# Allegro board rt1064_som_wifi.brd (continued)
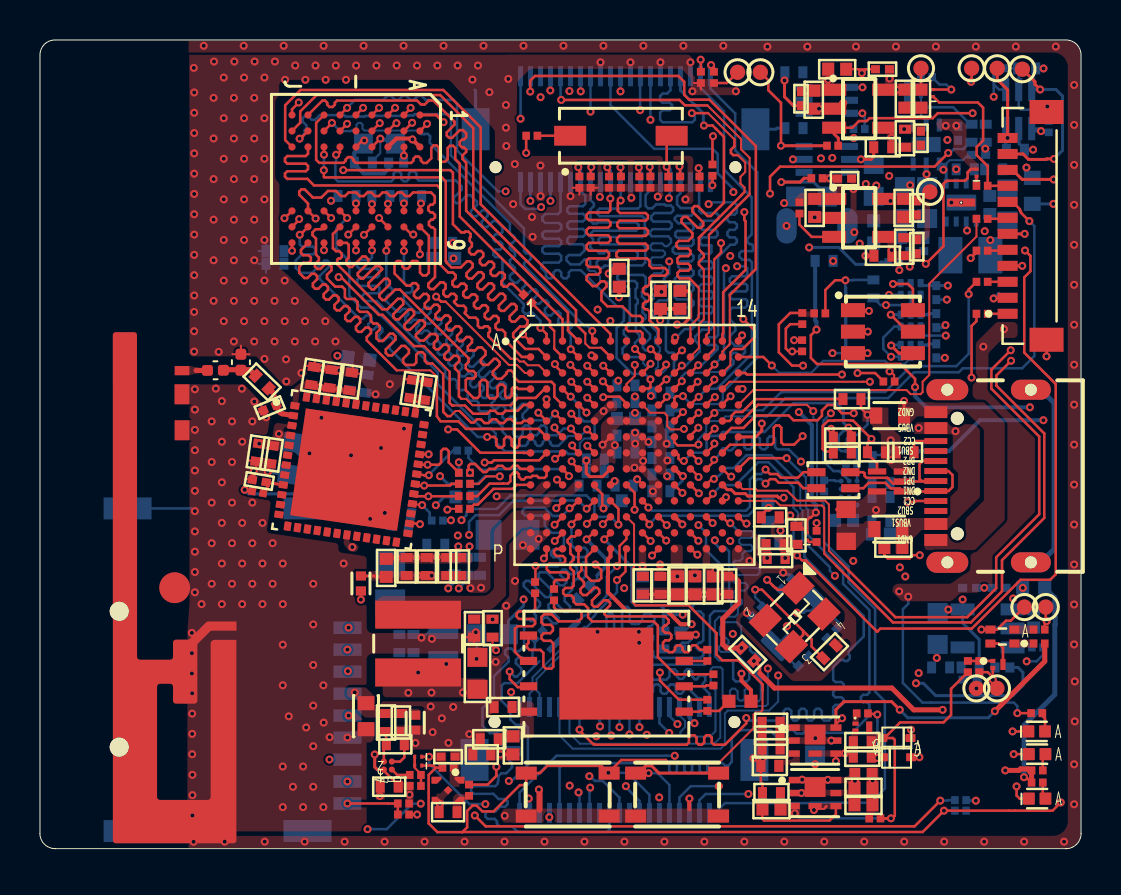
[diagram p0: board, top side]
## Routing (per net, layer and track width the routed paths; a pad name or vN(x,y) marks a point on that pad's centre or on a via; arc(x,y) is an arc through that point) (continued)
GPIO_B0_00: length 21.4
  TOP w0.102: v1(29.77,24.21) 29.77,23.67 29.35,23.25 29.35,23.04
  TOP w0.127: U3.D7 29.35,23.04
  SIG1 w0.127: v1(29.77,24.21) 29.77,24.27 29.09,24.95 29.09,25.2 29.2,25.31 29.22,25.31 29.36,25.45 29.36,28.2 29.17,28.39 28.75,28.39 28.53,28.17 28.53,28.15 28.19,28.15 28.01,28.33 28.01,28.68 27.88,28.81 27.74,28.81 27.56,28.63 27.41,28.63 27.21,28.82 27.21,28.98 27.68,29.45 27.68,29.61 27.57,29.72 27.41,29.72 26.94,29.25 26.78,29.25 26.67,29.36 26.67,29.52 27.14,29.99 27.14,30.15 27.03,30.26 26.87,30.26 26.4,29.79 26.25,29.79 26.13,29.9 26.13,30.06 26.6,30.53 26.6,30.68 26.49,30.8 26.33,30.8 25.86,30.33 25.71,30.33 25.59,30.44 25.59,30.6 26.06,31.07 26.06,31.22 25.95,31.33 25.79,31.33 25.32,30.87 25.17,30.87 25.08,30.96 25.08,31.4 25.31,31.63 25.31,31.87 v1(25.08,32.11)
  BOTTOM w0.127: J5.39 24.05,32.25 24.29,32.01 24.98,32.01 v1(25.08,32.11)
GPIO_B0_01: length 22.2
  TOP w0.127: U3.E7 29.35,22.27 29,22.62 28.31,22.62 28.29,22.64 28.24,22.59 v1(28.19,22.59)
  SIG1 w0.127: v1(24.54,32.42) 24.23,32.11 24.23,30.09 24.52,29.8 24.64,29.8 25,30.16 25.16,30.16 25.27,30.05 25.27,29.89 24.94,29.56 24.94,29.55 24.88,29.5 24.88,29.34 24.99,29.23 25.15,29.23 25.59,29.67 25.75,29.67 25.86,29.56 25.86,29.4 25.52,29.06 25.52,28.89 25.63,28.78 25.79,28.78 26.15,29.13 26.29,29.13 26.4,29.02 26.4,28.87 26.15,28.62 26.15,28.46 26.26,28.35 26.42,28.35 26.67,28.6 26.83,28.6 26.94,28.48 26.94,28.33 26.49,27.88 26.49,27.72 26.6,27.61 26.76,27.61 27.21,28.06 27.37,28.06 27.48,27.95 27.48,27.79 27.26,27.57 27.26,27.39 27.34,27.31 27.54,27.31 27.75,27.52 27.91,27.52 28.25,27.17 28.56,27.17 29.09,26.64 29.09,26.27 28.85,26.03 28.85,24.66 29.33,24.18 29.33,23.26 28.66,22.59 v1(28.19,22.59)
  BOTTOM w0.127: J5.37 24.54,33.35 v1(24.54,32.42)
GPIO_B0_02: length 21.1
  TOP w0.102: v1(32.22,21.01) 32.2,20.98 31.55,20.98 31.39,21.15 31.39,21.67 31.24,21.81 30.54,21.81 U3.E8
  SIG1 w0.127: v1(25.55,32.42) 25.63,32.42 26.85,31.2 27.01,31.2 27.12,31.31 27.28,31.31 27.39,31.2 27.39,31.04 27.27,30.93 27.27,30.77 29.8,28.25 29.8,26.43 29.91,26.32 30.04,26.32 30.15,26.2 30.15,26.05 30.04,25.93 29.91,25.93 29.8,25.82 29.8,25.7 30.17,25.32 30.17,24.85 30.16,24.84 30.16,22.21 30.31,22.07 30.46,22.07 30.57,22.17 30.72,22.17 30.84,22.06 30.84,21.9 30.73,21.8 30.73,21.64 30.84,21.53 31,21.53 31.26,21.79 31.42,21.79 31.53,21.68 31.53,21.52 31.27,21.26 31.27,21.1 31.38,20.99 31.54,20.99 31.8,21.25 31.98,21.25 v1(32.22,21.01)
  BOTTOM w0.127: J5.33 25.55,33.35 v1(25.55,32.42)
GPIO_B0_03: length 21.5
  TOP w0.127: U3.D8 30.17,23.03 30.48,23.03 30.55,23.1 v1(30.55,23.49)
  BOTTOM w0.127: J5.31 26.05,31.89 25.92,31.76 25.29,31.76 25.15,31.62 25.15,31.44 25.27,31.32 25.97,31.32 26.08,31.2 26.08,31.02 25.97,30.91 25.26,30.91 25.15,30.8 25.15,30.64 25.26,30.53 25.97,30.53 26.08,30.41 26.08,30.27 25.97,30.16 25.25,30.16 25.14,30.04 25.14,29.89 25.25,29.77 25.97,29.77 26.08,29.66 26.08,29.46 25.96,29.33 25.21,29.33 25.1,29.22 25.1,29.05 25.32,28.83 25.32,28.66 25.43,28.54 25.59,28.54 25.7,28.66 25.7,28.84 25.82,28.95 25.97,28.95 26.08,28.84 26.08,28.66 26.2,28.54 26.35,28.54 26.47,28.66 26.47,28.84 26.58,28.95 27.06,28.95 28.89,27.12 29.1,27.12 29.22,26.99 29.22,26.58 29.22,26.57 29.22,26.42 28.86,26.06 28.86,24.56 29.65,23.76 30.27,23.76 v1(30.55,23.49)
GPIO_B0_04: length 21.5
  TOP w0.127: 26.94,34.15 v1(26.94,34.1) 26.99,34.05 R60.2 ; v1(30.55,24.27) 30.55,24.21 U3.C8
  BOTTOM w0.102: 28.71,27.88 28.6,27.88 28.5,27.98 28.5,28.27 28.4,28.37 28.11,28.37 28.02,28.46 28.02,28.63 27.74,28.91 27.51,28.91 27.41,29.01 27.41,29.12 27.51,29.22 27.54,29.22 ; v1(30.55,24.27) 30.45,24.17 30.31,24.17 30.19,24.29 30.19,24.44 30.2,24.45 30.2,24.48
  BOTTOM w0.11: 27.44,29.49 27.54,29.4 27.54,29.22
  BOTTOM w0.127: 27.44,29.49 27.26,29.49 27,29.24 26.55,29.24 26.35,29.44 26.35,29.6 26.46,29.71 27.03,29.71 27.25,29.93 27.25,30.15 27.15,30.25 26.5,30.25 26.39,30.36 26.39,30.52 26.5,30.63 27.17,30.63 27.29,30.74 27.29,30.9 27.17,31.01 26.5,31.01 26.39,31.12 26.39,31.28 26.5,31.39 27.17,31.39 27.29,31.5 27.29,31.66 27.17,31.77 26.5,31.77 26.39,31.89 26.39,32.04 26.5,32.15 27.17,32.15 27.29,32.27 27.29,32.68 27.05,32.92 J5.27 27.05,33.99 v1(26.94,34.1) ; 30.2,24.48 30.07,24.6 29.33,24.6 29.15,24.78 29.15,25.03 29.45,25.33 29.45,25.51 29.21,25.75 29.21,25.93 29.51,26.23 29.51,28.01 29.38,28.13 28.96,28.13 28.71,27.88
GPIO_B0_05: length 21.5
  TOP w0.127: v1(27.59,34.11) 27.56,34.08 R61.2 ; v1(29.78,25.01) 30.15,24.63 U3.B8
  BOTTOM w0.127: v1(29.78,25.01) 29.78,25.32 30,25.54 30,25.7 29.82,25.89 29.82,27.21 29.91,27.3 29.91,27.47 29.8,27.57 29.8,28 29.88,28.08 29.88,28.28 29.75,28.41 29,28.41 28.9,28.52 28.9,28.67 29.01,28.78 29.01,29.04 28.89,29.17 28.63,29.17 28.62,29.17 28.3,29.17 28.29,29.17 28.24,29.17 28.14,29.07 27.98,29.07 27.86,29.18 27.86,29.36 27.99,29.49 29.79,29.49 29.92,29.62 29.92,29.8 29.79,29.92 28.35,29.92 28.22,29.8 27.99,29.8 27.87,29.92 27.87,29.92 27.71,29.92 27.54,30.09 27.54,30.25 27.68,30.38 27.68,30.51 27.57,30.62 27.57,30.8 27.7,30.93 29.83,30.93 29.95,31.05 29.95,31.23 29.84,31.34 27.92,31.34 27.86,31.29 27.68,31.29 27.55,31.42 27.55,32 27.55,32 27.72,32.16 27.72,32.29 27.55,32.46 J5.25 27.55,34.07 v1(27.59,34.11)
GPIO_B0_06: length 21.7
  TOP w0.127: v1(28.54,32.54) 28.54,31.95 28.43,31.84 27.47,31.84 27.36,31.73 27.36,31.57 27.47,31.46 28.43,31.46 28.54,31.35 28.54,31.19 28.43,31.08 27.47,31.08 27.36,30.97 27.36,30.81 27.47,30.7 28.43,30.7 28.54,30.59 28.54,30.43 28.43,30.32 27.47,30.32 27.36,30.21 27.36,30.04 27.47,29.92 28.36,29.92 28.47,29.81 28.47,29.65 28.36,29.54 27.47,29.54 27.36,29.43 27.36,29.23 27.47,29.12 27.92,29.12 28.04,29 28.04,28.85 27.92,28.73 27.47,28.73 27.36,28.62 27.36,28.46 27.66,28.16 27.84,28.16 28.08,28.4 28.24,28.4 28.35,28.29 28.35,28.13 28.1,27.87 28.1,27.44 28.39,27.14 29.15,27.14 29.62,26.66 30.04,26.66 30.15,26.55 30.15,26.39 30.04,26.28 29.44,26.28 29.33,26.17 29.33,26.01 29.44,25.9 30.04,25.9 30.15,25.79 U3.A8 ; R62.2 28.48,34.01 v1(28.39,34.1)
  BOTTOM w0.127: v1(28.54,32.54) 28.54,32.54 28.54,33.35 J5.21 28.55,33.94 v1(28.39,34.1)
GPIO_B0_07: length 21.7
  TOP w0.127: v1(29.05,34.1) 29.07,34.08 R63.2 ; v1(29.06,32.44) 29.04,32.44 28.92,32.31 28.92,31.92 29.03,31.81 30.31,31.81 30.42,31.7 30.42,31.54 30.31,31.43 29,31.43 28.89,31.32 28.89,31.16 29,31.05 30.31,31.05 30.42,30.94 30.42,30.78 30.31,30.67 29,30.67 28.88,30.55 28.88,30.39 28.99,30.28 30.3,30.28 30.41,30.16 30.41,30.03 30.31,29.93 28.96,29.93 28.84,29.81 28.84,29.65 28.96,29.54 30.38,29.54 30.5,29.41 30.5,29.19 30.63,29.06 31.27,29.06 31.41,28.93 31.41,28.8 31.28,28.68 30.61,28.68 30.5,28.57 30.5,28.25 30.39,28.14 30.29,28.14 30.18,28.02 30.18,27.87 30.29,27.75 30.39,27.75 30.5,27.64 30.5,27.49 30.39,27.37 30.29,27.37 30.18,27.26 30.18,27.1 30.29,26.99 30.39,26.99 30.5,26.88 30.5,26.44 30.64,26.3 30.64,26.29 30.95,25.98 U3.A9
  BOTTOM w0.127: v1(29.06,32.44) 29.06,33.35 J5.19 v1(29.05,34.1)
GPIO_B0_08: length 21.5
  TOP w0.127: U3.B9 30.95,24.63 30.58,25 v1(30.56,25) ; v1(29.97,34.1) 30,34.07 R64.2
  BOTTOM w0.127: v1(30.56,25) 30.5,24.94 30.3,24.94 30.17,25.06 30.17,25.18 30.53,25.54 30.53,25.74 30.1,26.17 30.1,26.35 30.31,26.55 30.31,26.68 30.15,26.84 30.15,27.13 30.31,27.28 30.31,27.44 30.13,27.63 30.13,27.86 30.31,28.05 30.31,28.59 30.19,28.71 29.45,28.71 29.32,28.84 29.32,29.07 29.44,29.19 30.14,29.19 30.29,29.34 30.29,30.11 30.16,30.24 28.06,30.24 27.96,30.34 27.96,30.5 28.07,30.61 30.14,30.61 30.26,30.74 30.26,31.53 30.14,31.65 28.01,31.65 27.9,31.77 27.9,31.92 28.01,32.04 29.92,32.04 30.05,32.16 J5.15 30.05,33.96 29.97,34.05 v1(29.97,34.1)
GPIO_B0_09: length 21.5
  TOP w0.127: U3.C9 31.33,24.19 v1(31.33,24.23) ; R65.2 30.55,34.09 v1(30.51,34.12)
  BOTTOM w0.102: 30.88,25.69 30.77,25.58 30.77,25.32 31.02,25.07 31.02,24.89 30.81,24.68 30.81,24.54 30.93,24.42 30.93,24.11 30.81,23.99 30.81,23.85 30.92,23.74 31.06,23.74 31.17,23.86 31.19,23.86 31.33,24 v1(31.33,24.23) ; 31.08,28.8 31.18,28.9 31.18,29.11 31.08,29.21 30.66,29.21 30.56,29.31 30.56,29.51 30.65,29.6 31.14,29.6 31.28,29.73 31.28,29.84 31.17,29.94 30.93,29.94
  BOTTOM w0.11: 31.08,28.8 30.74,28.8 30.58,28.64 ; 31.45,30.65 31.54,30.55 31.54,30.51 31.58,30.47 31.58,30.33 31.41,30.16 31.26,30.16 31.13,30.29 30.67,30.29 30.56,30.18 30.56,30.04 30.66,29.94 30.93,29.94 ; 30.88,25.69 30.88,25.87
  BOTTOM w0.113: 30.58,28.47 30.58,28.64
  BOTTOM w0.114: 30.76,28.29 30.58,28.47
  BOTTOM w0.12: 30.88,25.87 30.56,26.18
  BOTTOM w0.127: v1(30.51,34.12) 30.55,34.08 J5.13 30.55,32.95 30.3,32.71 30.3,32.17 30.43,32.05 30.64,32.05 30.83,32.24 31.26,32.24 31.32,32.19 31.58,32.19 31.68,32.08 31.68,31.92 31.57,31.81 30.75,31.81 30.59,31.65 30.59,31.5 30.7,31.38 31.5,31.38 31.61,31.27 31.61,31.11 31.5,31 30.66,31 30.53,30.88 30.53,30.73 30.61,30.65 31.45,30.65 ; 30.56,26.18 30.56,26.53 30.73,26.7 30.73,26.84 30.58,26.99 30.58,27.41 30.71,27.54 30.71,27.7 30.62,27.79 30.62,27.97 30.76,28.11 30.76,28.29
GPIO_B0_10: length 24.6
  TOP w0.127: U3.D9 30.95,23.1 31.33,23.48 v1(31.35,23.48) ; R66.2 31.45,34.04 v1(31.36,34.13) 31.36,35.43 SW3.2
  SIG1 w0.127: v1(31.49,29.39) 31.43,29.46 31.2,29.46 29.63,31.03 29.63,31.33 29.91,31.61 30.09,31.61 30.25,31.44 30.41,31.44 30.42,31.45 30.58,31.45 30.69,31.34 30.69,31.18 30.68,31.17 30.68,31.01 30.79,30.9 30.95,30.9 30.96,30.91 31.12,30.91 31.23,30.8 31.23,30.64 31.22,30.63 31.22,30.48 31.33,30.36 31.49,30.36 31.5,30.37 31.66,30.37 31.77,30.26 31.77,30.1 31.76,30.09 31.76,29.94 31.87,29.82 32.03,29.82 32.04,29.83 32.2,29.83 32.31,29.72 32.31,29.57 32.3,29.56 32.3,29.4 32.54,29.16 32.72,29.16 33.06,29.49 33.06,29.67 31.09,31.64 31.09,32.05 31.44,32.4 31.44,32.52 v1(31.47,32.55)
  BOTTOM w0.127: v1(31.35,23.48) 31.4,23.48 31.72,23.81 31.72,24.36 31.86,24.5 31.86,24.66 31.7,24.82 31.45,24.82 31.32,24.95 31.32,26.18 31.43,26.29 31.43,26.73 31.21,26.95 30.99,26.95 30.85,27.09 30.85,27.31 30.98,27.44 31.36,27.44 31.49,27.56 31.49,28.11 31.46,28.11 31.22,28.34 31.22,28.52 31.49,28.79 v1(31.49,29.39) ; v1(31.36,34.13) 31.42,34.13 31.55,34 J5.9 31.55,33.22 31.51,33.18 31.51,32.75 31.47,32.7 v1(31.47,32.55)
GPIO_B0_11: length 21.4
  TOP w0.127: R67.2 32.04,34.11 v1(32,34.14)
  BOTTOM w0.127: v1(31.79,25.59) 31.84,25.59 32.26,26.01 32.63,26.01 32.76,26.13 32.76,26.3 32.43,26.62 31.9,26.62 31.78,26.75 31.78,26.98 31.9,27.11 32.59,27.11 32.7,27.22 32.7,27.38 32.59,27.49 31.88,27.49 31.77,27.6 31.77,27.76 31.88,27.87 32.59,27.87 32.7,27.98 32.7,28.14 32.59,28.25 31.88,28.25 31.77,28.36 31.77,28.52 31.88,28.63 32.59,28.63 32.7,28.74 32.7,28.9 32.59,29.01 32.05,29.01 31.94,29.12 31.94,29.27 31.94,29.27 32.06,29.39 32.59,29.39 32.7,29.5 32.7,29.66 32.59,29.78 31.78,29.78 31.67,29.89 31.67,30.05 31.78,30.16 32.59,30.16 32.7,30.27 32.7,30.47 32.59,30.58 31.88,30.58 31.8,30.66 31.8,30.83 31.88,30.92 32.59,30.92 32.7,31.03 32.7,31.19 32.59,31.3 31.95,31.3 31.77,31.47 31.77,31.57 31.88,31.68 32.59,31.68 32.7,31.79 32.7,31.95 32.59,32.06 32.06,32.06 31.88,32.24 31.88,32.63 32.05,32.8 J5.7 32.05,34.1 v1(32,34.14)
GPIO_B0_12: length 21.3
  TOP w0.127: R68.2 33,34.02 v1(32.96,34.06) ; v1(32.12,24.17) U3.C10
  BOTTOM w0.127: v1(32.96,34.06) 32.96,34.04 32.99,34 32.99,33.41 J5.3 32.99,33.29 32.99,31.92 33.1,31.81 33.85,31.81 33.96,31.7 33.96,31.54 33.85,31.43 33.23,31.43 33.04,31.24 33.04,31.08 33.15,30.97 33.8,30.97 33.91,30.86 33.91,30.7 33.8,30.59 33.15,30.59 33.03,30.47 33.03,30.31 33.14,30.2 33.57,30.2 33.6,30.17 33.6,29.85 33.53,29.78 33.1,29.78 32.99,29.66 32.99,29.51 33.1,29.39 33.57,29.39 33.68,29.28 33.68,29.12 33.57,29.01 33.1,29.01 32.99,28.9 32.99,28.74 33.1,28.63 33.57,28.63 33.68,28.52 33.68,28.36 33.57,28.25 33.1,28.25 32.99,28.14 32.99,28.01 33.1,27.9 33.58,27.9 33.68,27.81 33.68,27.61 33.58,27.52 33.1,27.52 32.99,27.41 32.99,27.25 33.1,27.14 33.58,27.14 33.68,27.04 33.68,26.89 33.58,26.79 33.05,26.79 32.94,26.68 32.94,26.48 33.06,26.36 33.55,26.36 33.67,26.24 33.67,26.09 33.55,25.97 33.13,25.97 32.79,25.64 32.79,25.41 33.01,25.19 33.01,24.88 32.31,24.17 v1(32.12,24.17)
GPIO_B0_13: length 22.1
  TOP w0.127: v1(32.12,23.4) 32.12,23.4 31.99,23.27 31.99,23.27 31.75,23.03 U3.D10 ; v1(33.65,33.2) 33.65,33.21 R69.2
  SIG1 w0.102: v1(33.65,33.2) 33.69,33.16 33.88,33.16
  SIG1 w0.12: 33.88,33.16 33.98,33.06 33.98,32.21
  SIG1 w0.127: v1(34.88,29.15) 34.9,29.15 35.2,29.45 35.2,29.62 34.47,30.35 34.47,30.47 34.24,30.7 33.75,30.7 33.59,30.86 33.59,31.01 33.79,31.21 33.79,31.37 33.67,31.48 33.52,31.48 33.32,31.28 33.16,31.28 32.95,31.5 32.95,31.74 33.08,31.87 33.7,31.87 33.98,32.15 33.98,32.21
  BOTTOM w0.102: 32.31,23.82 32.78,23.82 32.78,23.82 33.09,23.82 33.31,23.82 33.35,23.86 33.96,23.86
  BOTTOM w0.127: J5.1 33.65,33.26 v1(33.65,33.2) ; v1(34.88,29.15) 35.3,29.15 35.4,29.05 35.4,28.73 35.31,28.65 34.63,28.65 34.52,28.54 34.52,28.38 34.63,28.27 35.31,28.27 35.4,28.18 35.4,27.97 35.31,27.88 34.63,27.88 34.52,27.77 34.52,27.62 34.63,27.5 35.31,27.5 35.4,27.42 35.4,27.18 35.29,27.07 34.65,27.07 34.53,26.96 34.53,26.48 34.8,26.21 34.8,25.93 34.53,25.67 34.53,25.42 34.78,25.17 35.15,25.17 35.28,25.04 35.28,24.84 35.13,24.69 34.97,24.69 34.85,24.81 34.69,24.81 34.58,24.7 34.58,24.54 34.7,24.42 34.7,24.26 34.3,23.86 33.96,23.86 ; 32.31,23.82 32.12,23.62 v1(32.12,23.4)
GPIO_B0_14: length 21.9
  TOP w0.127: U3.E10 31.75,22.56 31.84,22.65 v1(32.17,22.65) ; R70.2 33.72,39.09 33.6,39.22 v1(33.58,39.22)
  BOTTOM w0.102: 34.17,22.85 34.17,22.81 34.17,22.8 34.17,22.46 33.96,22.25 33.92,22.25 33.92,22.25 33.63,22.25 33.62,22.25 32.57,22.25
  BOTTOM w0.127: J5.2 33.55,38.04 34.79,36.8 34.79,34.95 35.9,33.84 35.9,24.58 34.17,22.85 ; v1(32.17,22.65) 32.57,22.25
  BOTTOM w0.15: v1(33.58,39.22) 33.55,39.19 J5.2
GPIO_B0_15: length 21.9
  TOP w0.127: v1(32.96,22.61) 32.93,22.61 32.55,22.23 U3.E11 ; R71.2 33.07,39.46 33.06,39.47 v1(33.06,39.49)
  BOTTOM w0.127: v1(33.06,39.49) 33.05,39.48 J5.4 33.05,38.09 34.23,36.9 34.23,33.98 35.61,32.6 35.61,30.74 35.4,30.53 35.4,30.37 35.51,30.26 35.61,30.26 35.67,30.19 35.67,29.94 35.64,29.9 35.11,29.9 35,29.79 35,29.63 35.15,29.47 35.5,29.47 35.62,29.35 35.62,24.77 33.88,23.02 33.37,23.02 v1(32.96,22.61)
GPIO_B1_00: length 22.1
  TOP w0.102: 32.55,25.76 32.55,26.17 32.97,26.59 32.97,28.07
  TOP w0.127: U3.A11 32.55,25.76 ; v1(33.23,36.19) 33.66,36.19 33.83,36.02 33.83,36.02 34.05,35.81 34.05,35.81 34.22,35.63 34.22,32.32 33.57,31.66 33.41,31.66 32.91,32.16 32.76,32.16 32.64,32.05 32.64,31.89 33.19,31.34 33.19,31.19 33.08,31.07 32.92,31.07 32.37,31.62 32.22,31.62 32.1,31.51 32.1,31.35 32.65,30.8 32.65,30.63 32.44,30.42 31.97,30.42 31.86,30.31 31.86,30.15 31.97,30.04 32.44,30.04 32.55,29.93 32.55,29.77 32.44,29.66 32.02,29.66 31.9,29.54 31.9,29.34 31.97,29.28 32.44,29.28 32.55,29.16 32.55,29.04 32.44,28.92 32.02,28.92 31.9,28.81 31.9,28.66 32.02,28.54 32.5,28.54 32.97,28.07
  BOTTOM w0.147: J5.8 32.05,37.95 32.25,37.75 32.25,37.74 32.78,37.21 32.79,37.21 33.2,36.8 33.2,36.22 v1(33.23,36.19)
GPIO_B1_01: length 21.5
  TOP w0.102: 33.22,28.98 33.22,26.49 32.97,26.24 32.97,25.05 32.55,24.63 ; 34.75,35.49 33.43,36.81 ; 35.26,32.87 35.26,33.08 35.05,33.29 35.05,33.63 35.29,33.86 35.29,34.34 34.92,34.71
  TOP w0.127: 33.43,36.81 v1(32.62,36.81) ; 33.22,28.98 32.97,29.23 32.97,29.36 33.22,29.61 33.22,29.74 32.97,29.99 32.97,30.57 33.1,30.69 33.1,30.7 35.09,32.69 35.09,32.7 35.26,32.87 ; 34.92,34.71 34.69,34.71 34.58,34.82 34.58,34.98 34.75,35.15 34.75,35.49 ; U3.B11 32.55,24.63
  BOTTOM w0.127: v1(32.62,36.81) 32.77,36.66 32.77,36.48 32.64,36.35 31.16,36.35 31.03,36.48 31.03,36.84 31.14,36.96 31.51,36.96 31.63,37.07 31.63,37.22 31.51,37.34 31.14,37.34 31.03,37.45 31.03,37.66 31.16,37.79 31.39,37.79 31.39,37.8 31.55,37.96 J5.10
GPIO_B1_02: length 21.6
  TOP w0.127: v1(32.94,24.19) U3.C11
  SIG1 w0.127: v1(33.46,32.26) 33.46,32.62 33.21,32.87 33.21,33.63 33.47,33.89 33.47,34.1 32.99,34.58 32.59,34.58 30.7,36.47 v1(30.55,36.47)
  BOTTOM w0.127: J5.14 v1(30.55,36.47) ; v1(33.46,32.26) 33.55,32.35 34.74,32.35 34.87,32.22 34.87,31.85 34.76,31.73 34.51,31.73 34.4,31.62 34.4,31.46 34.51,31.35 34.76,31.35 34.87,31.24 34.87,31.08 34.76,30.97 34.51,30.97 34.4,30.86 34.4,30.7 34.51,30.59 34.76,30.59 34.87,30.48 34.87,30.35 34.75,30.22 34.55,30.22 33.93,29.61 33.93,25.7 33.82,25.59 33.4,25.59 33.29,25.48 33.29,25.32 33.4,25.21 33.82,25.21 33.91,25.12 33.91,24.99 33.11,24.19 v1(32.94,24.19)
GPIO_B1_03: length 21.4
  TOP w0.127: v1(32.91,23.37) U3.D11
  SIG1 w0.102: 34.01,23.86 33.32,23.86
  SIG1 w0.127: 33.32,23.86 32.91,23.45 v1(32.91,23.37) ; v1(30.03,36.96) 30.97,36.96 33.84,34.09 33.84,33.72 34.26,33.3 34.26,31.1 35.58,29.78 35.58,25.48 35.57,25.48 35.57,25.42 35.06,24.91 34.81,24.91 34.45,25.27 34.29,25.27 34.18,25.16 34.18,25.01 34.54,24.64 34.54,24.39 34.01,23.86
  BOTTOM w0.127: v1(30.03,36.96) 30.03,38.64 J5.16
GPIO_B1_04: length 21.8
  TOP w0.127: U3.E12 33.35,22.23 33.74,22.62 33.75,22.62 v1(33.77,22.6)
  SIG1 w0.127: v1(33.77,22.6) 34.05,22.88 34.05,22.88 36.19,25.02 36.19,30.26 34.88,31.56 34.88,31.66 34.88,31.67 34.88,31.97 34.88,31.97 34.88,32.12 35.16,32.4 35.16,33.1 34.98,33.29 34.77,33.29 34.18,33.88 34.18,34.16 30.44,37.9 v1(29.05,37.9)
  BOTTOM w0.127: J5.20 v1(29.05,37.9)
GPIO_B1_05: length 21.9
  TOP w0.127: U3.D12 33.75,23.4 v1(33.75,23.48)
  SIG1 w0.127: v1(33.75,23.48) 33.82,23.41 34.14,23.41 35.88,25.15 35.88,29.99 34.55,31.31 34.55,32.71 v1(34.7,32.86)
  BOTTOM w0.127: v1(34.7,32.86) 34.7,33.01 33.92,33.79 33.92,34.76 33.66,35.03 30.73,35.03 28.55,37.21 J5.22
GPIO_B1_06: length 21.9
  TOP w0.127: U3.C12 33.76,24.21 v1(33.76,24.23)
  SIG1 w0.127: v1(34.32,29.05) 34.23,29.14 34.23,29.24 31.84,31.63 31.84,33.52 31.64,33.72 31.17,33.72 31.17,33.73 30.97,33.94 30.97,34.87 29.56,36.28 29.4,36.28 29.19,36.07 29.03,36.07 28.92,36.18 28.92,36.34 29.13,36.55 29.13,36.71 29.02,36.82 28.86,36.82 28.36,36.31 28.2,36.31 28.09,36.42 28.09,36.58 28.57,37.07 28.57,37.23 28.47,37.34 28.29,37.34 27.84,36.89 v1(27.55,36.89)
  BOTTOM w0.127: v1(34.32,29.05) 34.23,28.96 34.23,24.71 v1(33.76,24.23) ; v1(27.55,36.89) J5.26
GPIO_B1_07: length 21.8
  TOP w0.102: 33.74,25 33.74,29.49
  TOP w0.127: 33.74,29.49 34.08,29.83 v1(34.08,30.31) ; U3.B12 33.74,25
  SIG1 w0.127: v1(34.08,30.31) 33.73,30.31 32.31,31.72 32.31,31.97 32.44,32.09 32.79,32.09 32.92,32.22 32.92,32.49 32.33,33.08 32.33,33.26 32.53,33.45 32.53,33.6 32.39,33.74 32.39,34.31 32.16,34.54 31.84,34.54 28.69,37.69 27.62,37.69 26.65,36.71 26.47,36.71 26.34,36.84 26.34,37.05 27.06,37.77 v1(27.06,37.9)
  BOTTOM w0.127: J5.28 27.05,37.91 v1(27.06,37.9)
GPIO_B1_08: length 22.2
  TOP w0.102: 33.35,25.71 33.47,25.84 33.47,30.72 ; 33.4,37.2 35.08,35.51 35.08,35 35.51,34.57 35.51,32.75
  TOP w0.127: 33.4,37.2 32.78,37.2 32.78,37.2 32.27,37.2 32,37.47 v1(26.08,37.47) ; 35.51,32.75 33.47,30.72 ; 33.35,25.71 U3.A12
  BOTTOM w0.127: v1(26.08,37.47) 26.05,37.51 J5.32
GPIO_B1_09: length 22
  TOP w0.127: v1(35.25,31.86) 35.25,31.47 35.31,31.41 35.31,28.97 34.19,27.85 34.19,25.79 34.15,25.76 U3.A13
  SIG1 w0.127: v1(25.54,37.95) 25.9,38.31 30.48,38.31 34.15,34.63 35.06,34.63 35.59,34.1 35.59,32.2 v1(35.25,31.86)
  BOTTOM w0.127: J5.34 25.55,37.96 v1(25.54,37.95)
GPIO_B1_10: length 25.9
  TOP w0.102: U3.B13 34.15,24.88 34.51,25.25 34.52,25.25 ; 34.52,27.71 34.52,25.25 ; 34.52,25.25 34.43,25.16
  TOP w0.127: v1(24.53,37.89) 24.53,38.44 24.77,38.67 31.95,38.67 32.24,38.38 32.24,37.73 32.48,37.49 33.5,37.49 35.82,35.16 35.82,29.01 34.52,27.71
  BOTTOM w0.127: J5.38 24.55,37.91 v1(24.53,37.89)
GPIO_B1_11: length 21.7
  TOP w0.102: U3.C13 34.55,24.21 34.55,24.85 34.71,25.01
  TOP w0.127: v1(35.19,26.5) 35.75,25.95 35.75,25.6 35.16,25.01 34.71,25.01
  SIG1 w0.127: v1(35.19,26.5) 34.94,26.75 33.18,26.75 24.05,35.88 v1(24.05,36.53)
  BOTTOM w0.127: v1(24.05,36.53) J5.40
GPIO_B1_14: length 39.8
  TOP w0.127: v1(40.13,23.73) 35.38,23.73 35.3,23.81 U3.C14
  SIG1 w0.127: v1(40.13,23.73) 39.88,23.48 39.88,22.99 40.12,22.75 40.61,22.75 40.72,22.64 40.72,22.48 40.61,22.37 40.12,22.37 40.01,22.26 40.01,20.96 43.01,17.96 43.01,16.86 43.14,16.73 43.8,16.73 43.91,16.62 43.91,16.46 43.8,16.35 43.17,16.35 42.98,16.15 42.98,14.91 42.63,14.57 42.63,9.62 38.9,5.89 38.65,5.89 38.63,5.88 38.05,5.88 37.94,5.77 37.94,5.69 37.82,5.58 37.67,5.58 37.55,5.69 37.55,5.77 37.44,5.88 36.45,5.88 36.26,5.68 36.26,5.53 36.4,5.38 36.4,5.22 36.29,5.11 36.13,5.11 35.99,5.26 35.83,5.26 35.08,4.51 35.08,4.35 35.21,4.22 35.21,4.06 35.1,3.95 34.94,3.95 34.81,4.08 34.65,4.08 34.54,3.97 34.54,3.81 34.58,3.77 34.58,3.61 34.47,3.5 34.31,3.5 34.27,3.54 34.11,3.54 33.97,3.4 v1(33.97,3.13)
  BOTTOM w0.127: v1(33.97,3.13) 32.57,3.13 32,2.56 J6.34
GPIO_B1_15: length 9.4
  TOP w0.127: v1(36.62,24.18) 36.2,24.61 U3.B14
  BOTTOM w0.102: v1(36.62,24.18) 36.98,23.82 38.04,23.82 38.6,23.82 39.19,24.42 42.29,24.42 42.44,24.27 42.85,24.27 42.86,24.26 43.27,24.26 43.57,24.56 U23.2
GPIO_SD_B1_01: length 40
  TOP w0.127: U3.M5 27.72,16.61 v1(27.37,16.26)
  SIG1 w0.127: v1(26.95,2.81) 27.15,2.62 29.51,2.62 30.06,3.16 30.06,3.37 29.93,3.5 29.59,3.5 29.4,3.68 29.4,3.9 29.56,4.05 29.93,4.05 30.04,4.16 30.04,4.38 29.91,4.51 29.43,4.51 29.3,4.63 29.3,4.94 29.19,5.06 29.03,5.06 28.92,4.94 28.92,4.62 28.81,4.51 28.65,4.51 28.54,4.62 28.54,4.79 28.38,4.94 28.29,4.94 28.16,4.82 28.16,4.62 28.05,4.51 27.89,4.51 27.78,4.62 27.78,4.82 27.65,4.94 27.52,4.94 27.4,4.82 27.4,4.62 27.29,4.51 27.13,4.51 27.02,4.62 27.02,4.94 26.9,5.06 26.75,5.06 26.64,4.94 26.64,4.76 26.56,4.69 26.45,4.69 26.32,4.81 26.32,5.2 26.53,5.4 26.53,5.63 26.36,5.8 26.36,6.01 26.53,6.18 26.53,6.43 26.77,6.67 27.13,6.67 27.13,6.67 27.5,7.03 27.5,7.64 27.62,7.77 28.24,7.77 28.44,7.97 28.44,8.15 28.31,8.28 28.07,8.28 27.94,8.4 27.94,8.58 28.05,8.7 28.82,8.7 28.93,8.81 28.93,8.96 28.82,9.08 28.05,9.08 27.94,9.19 27.94,9.35 28.05,9.46 28.76,9.46 28.87,9.56 28.87,9.74 28.77,9.83 28.16,9.83 28.15,9.84 28.05,9.84 27.91,9.98 27.91,10.34 28.4,10.83 29.19,10.83 29.3,10.94 29.3,11.1 29.19,11.21 28.03,11.21 27.91,11.33 27.91,11.49 28.02,11.6 29.09,11.6 29.2,11.71 29.2,11.87 29.09,11.98 28.02,11.98 27.91,12.09 27.91,12.25 28.02,12.36 29.09,12.36 29.2,12.47 29.2,12.56 29.02,12.74 27.97,12.74 27.86,12.86 27.86,13.02 27.98,13.14 28.32,13.14 28.44,13.26 28.44,13.42 28.33,13.53 28.02,13.53 27.88,13.67 27.88,13.79 28.16,14.07 28.16,14.15 28.17,14.15 28.17,14.48 28.3,14.61 28.48,14.61 28.56,14.52 28.74,14.52 28.87,14.66 28.87,14.83 28.67,15.04 28,15.04 27.87,15.17 27.87,15.75 v1(27.37,16.26)
  BOTTOM w0.127: J6.14 27,2.77 v1(26.95,2.81)
GPIO_SD_B1_02: length 40.3
  TOP w0.13: U3.M3 v1(25.75,16.21)
  SIG1 w0.127: v1(27.53,3.05) 27.5,3.02 27.32,3.02 26.78,3.56 26.67,3.56 26.66,3.56 26.11,3.56 26,3.45 26,2.9 25.89,2.79 25.73,2.79 25.62,2.9 25.62,3.44 25.49,3.56 24.22,3.56 24.09,3.44 24.09,2.21 23.9,2.01 23.02,2.01 22.87,2.16 22.87,2.36 22.98,2.47 23.18,2.47 23.29,2.58 23.29,2.74 22.98,3.05 22.69,3.05 22.57,3.16 22.57,3.32 22.69,3.43 22.98,3.43 23.09,3.55 23.09,3.83 23.25,3.99 23.75,3.99 23.8,3.94 24.19,3.94 24.36,4.12 24.36,4.29 24.27,4.38 23.55,4.38 23.44,4.49 23.44,4.65 23.55,4.76 24.27,4.76 24.38,4.87 24.38,5.03 24.27,5.14 23.55,5.14 23.44,5.25 23.44,5.41 23.55,5.52 24.27,5.52 24.38,5.63 24.38,5.79 24.27,5.9 23.55,5.9 23.44,6.01 23.44,6.17 23.55,6.28 24.27,6.28 24.38,6.39 24.38,6.63 24.26,6.76 23.2,6.76 23.07,6.89 23.07,7.13 23.2,7.25 24.05,7.25 24.49,7.69 25.07,7.69 25.19,7.81 25.19,7.99 25.06,8.12 24,8.12 23.87,8.25 23.87,8.84 23.98,8.95 24.45,8.95 24.56,9.06 24.56,9.22 24.45,9.33 23.98,9.33 23.87,9.44 23.87,9.6 23.98,9.71 24.45,9.71 24.56,9.82 24.56,9.98 24.45,10.09 23.98,10.09 23.87,10.2 23.87,10.36 23.98,10.47 24.45,10.47 24.56,10.59 24.56,10.74 24.45,10.85 23.98,10.85 23.87,10.97 23.87,11.12 23.98,11.24 24.45,11.24 24.56,11.35 24.56,11.51 24.45,11.62 23.98,11.62 23.87,11.73 23.87,11.86 24.06,12.05 24.38,12.05 24.57,12.23 24.57,12.63 24.41,12.79 24.41,14.33 25.4,15.32 25.4,15.85 v1(25.75,16.21)
  BOTTOM w0.127: v1(27.53,3.05) 27.51,3.03 27.51,2.86 27.5,2.85 J6.16
GPIO_SD_B1_03: length 40.5
  TOP w0.127: v1(26.6,16.23) 26.6,16.25 U3.M4
  BOTTOM w0.127: J6.20 28.5,0.97 28.37,0.84 23.9,0.84 23.62,1.12 22.99,1.12 22.87,1.25 22.87,1.38 22.75,1.49 22.4,1.49 22.29,1.6 22.29,1.76 22.4,1.87 22.8,1.87 23.03,2.1 23.29,2.1 23.4,2.21 23.4,2.37 23.29,2.48 22.95,2.48 22.69,2.75 21.69,2.75 21.58,2.86 21.58,3.02 21.69,3.13 22.78,3.13 22.91,3.25 22.91,3.35 22.94,3.38 22.94,3.63 23.08,3.77 23.33,3.77 23.62,4.06 23.62,4.12 23.62,4.28 23.49,4.4 23.49,4.59 23.59,4.69 23.97,4.69 24.08,4.8 24.08,4.96 23.97,5.07 23.22,5.07 23.1,5.18 23.1,5.34 23.22,5.45 23.97,5.45 24.08,5.56 24.08,5.72 23.92,5.88 22.95,5.88 22.85,5.78 22.52,5.78 22.15,6.15 22.15,7.03 22.72,7.61 22.72,8.62 23.45,9.36 23.45,9.56 23.28,9.74 23.28,9.9 23.39,10.02 23.59,10.02 23.72,9.88 23.97,9.88 24.23,10.14 24.23,11.38 24.32,11.47 24.48,11.47 24.55,11.39 24.71,11.39 24.82,11.51 24.82,11.66 24.75,11.74 24.75,11.89 25.02,12.17 25.02,12.32 24.21,13.13 24.21,13.29 24.32,13.4 24.48,13.4 25.29,12.59 25.46,12.59 25.57,12.7 25.57,12.97 24.96,13.58 24.96,13.76 25.03,13.83 25.37,13.83 26.03,13.18 26.2,13.18 26.33,13.31 26.33,13.4 26.04,13.69 26.04,13.84 26.16,13.96 26.31,13.96 26.53,13.74 26.76,13.74 26.87,13.85 26.87,14.04 26.63,14.28 26.63,14.49 26.73,14.59 27.28,14.59 27.39,14.71 27.39,14.93 27.26,15.06 26.74,15.06 26.6,15.2 26.6,16
  BOTTOM w0.15: 26.6,16 26.6,16.22 v1(26.6,16.23)
